# KiCad board PROC099A_PCB-PcbDoc.kicad_pcb (continued)
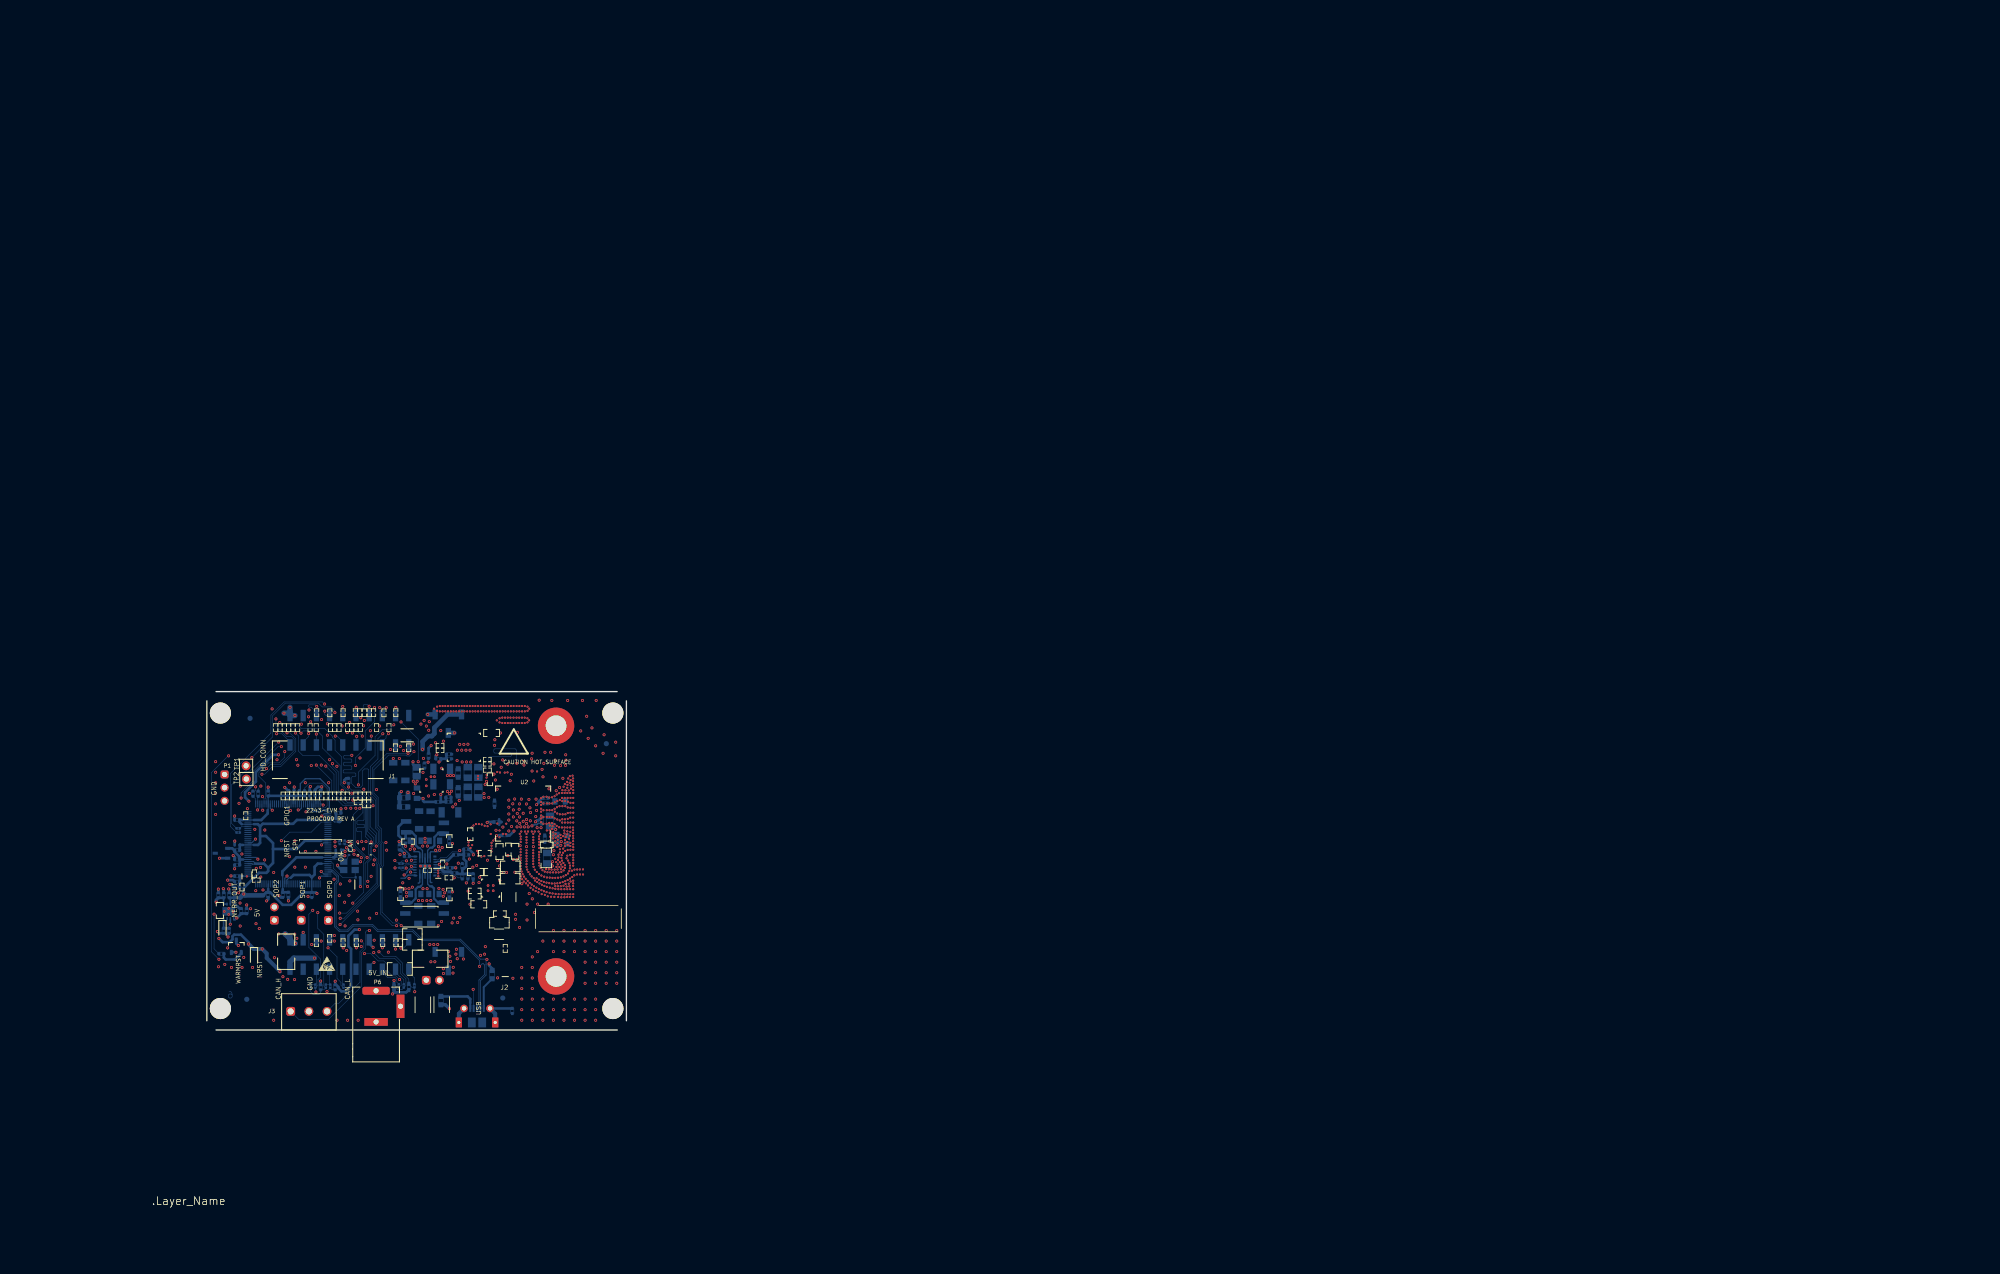
[diagram p0: board, top side]
## Routing (per net, layer and track width the routed paths; a pad name or vN(x,y) marks a point on that pad's centre or on a via; arc(x,y) is an arc through that point) (continued)
  In4.Cu w0.025: 43.49,46.86 43.84,46.86 ; 44.01,45.07 44.22,45.07 ; 47.94,44.41 48.28,44.41 ; 44.92,45.81 45.12,45.81 ; 46.18,44.2 46.38,44.2 ; 46.01,46.3 46.22,46.3 arc(46.23,46.31) 46.22,46.32 arc(46.21,46.35) 46.2,46.37 arc(46.17,46.38) 46.15,46.39 arc(46.13,46.39) 46.1,46.39 arc(46.08,46.38) 46.05,46.36 ; 44.32,44.31 44.51,44.31 ; 46.05,46.35 46.21,46.35 ; 44.37,48.39 44.71,48.39 ; 44.03,44.99 44.25,44.99 ; 48.05,44.21 48.39,44.21 ; 45.88,46 46.09,46 ; 43.34,46.59 43.69,46.59 ; 45,46.1 45.22,46.1 ; 41.37,43.1 41.71,43.1 ; 42.28,44.72 42.63,44.72 ; 46.15,43.77 46.3,43.77 ; 42.39,44.9 42.73,44.9 ; 43.95,45.56 44.15,45.56 ; 44.02,47.78 44.36,47.78 ; 47.12,45.93 47.46,45.93 ; 46.02,44.71 46.24,44.71 ; 43.25,46.43 43.59,46.43 ; 44.93,45.16 45.14,45.16 ; 43.96,45.32 44.16,45.32 ; 41.84,43.94 42.19,43.94 ; 48.08,44.16 48.42,44.16 ; 43.69,47.2 44.03,47.2 ; 47.85,44.58 48.19,44.58 ; 44.97,45.02 45.19,45.02 ; 43.85,47.48 44.19,47.48 ; 44.31,44.34 44.51,44.34 ; 47.84,44.59 48.18,44.59 ; 45.3,49.29 45.65,49.29 ; 42.66,45.39 43.01,45.39 ; 43.78,47.36 44.12,47.36 ; 44.9,45.36 45.1,45.36 ; 44.89,45.52 45.1,45.52 ; 45.97,46.23 46.2,46.23 ; 47.39,45.43 47.73,45.43 ; 44.81,49.18 45.15,49.18 ; 47.79,44.7 48.13,44.7 ; 45.07,49.62 45.47,49.62 ; 45.9,44.97 46.12,44.97 ; 45.9,44.97 arc(45.87,45.06) 45.84,45.14 ; 45.9,44.97 arc(45.95,44.86) 46,44.76 arc(46.04,44.67) 46.08,44.57 arc(46.11,44.5) 46.14,44.43 arc(46.15,44.37) 46.17,44.31 ; 45.55,48.83 45.89,48.83 ; 45.31,49.27 45.66,49.27 ; 44.94,45.9 45.15,45.9 ; 41.25,42.87 49.09,42.87 ; 45.93,48.14 46.27,48.14 ; 41.83,43.91 42.17,43.91 ; 44.96,45.05 45.18,45.05 ; 43.97,45.22 44.18,45.22 ; 45.81,45.45 46.01,45.45 ; 45.26,44.11 45.47,44.11 ; 43.67,47.16 44.01,47.16 ; 47.39,45.44 47.72,45.44 ; 45.73,48.51 46.07,48.51 ; 46.13,44.44 46.34,44.44 ; 41.5,43.33 41.84,43.33 ; 44.01,45.05 44.23,45.05 ; 45.95,48.1 46.29,48.1 ; 45.93,48.13 46.28,48.13 ; 43.73,47.27 44.07,47.27 ; 46.12,44.49 46.33,44.49 ; 45.26,44.31 45.47,44.31 ; 43.97,47.69 44.31,47.69 ; 48.37,43.62 48.71,43.62 ; 41.95,44.13 42.29,44.13 ; 44.97,45.03 45.19,45.03 ; 42.03,44.27 42.37,44.27 ; 41.49,43.31 41.83,43.31 ; 45.97,44.8 46.2,44.8 ; 44.18,48.07 44.53,48.07 ; 43.86,47.49 44.2,47.49 ; 43.95,47.66 44.29,47.66 ; 46,44.75 46.22,44.75 ; 43.28,46.49 43.63,46.49 ; 46.27,47.51 46.61,47.51 ; 44.28,43.82 44.48,43.82 ; 44.09,44.85 44.32,44.85 ; 42.17,44.53 42.52,44.53 ; 45.07,44.79 45.29,44.79 ; 44.29,43.9 44.5,43.9 ; 45.84,45.14 46.06,45.14 ; 41.52,43.37 41.86,43.37 ; 45.91,48.17 46.25,48.17 ; 43.8,47.4 44.14,47.4 ; 46.17,44.12 46.38,44.12 ; 44.27,44.47 44.48,44.47 ; 44.32,44.26 44.52,44.26 ; 44.32,48.31 44.66,48.31 ; 45.22,43.82 45.42,43.82 ; 45.58,48.78 45.92,48.78 ; 47.64,44.97 47.98,44.97 ; 44.33,44.15 44.52,44.15 ; 44.03,46 44.25,46 ; 47.41,45.4 47.75,45.4 ; 46.16,44.34 46.37,44.34 ; 45.09,44.76 45.31,44.76 ; 45.9,44.96 46.12,44.96 ; 44.95,45.95 45.16,45.95 ; 45.45,49.02 45.79,49.02 ; 45.04,46.19 45.27,46.19 ; 47.36,45.48 47.7,45.48 ; 47.61,45.02 47.95,45.02 ; 46.46,47.15 46.8,47.15 ; 45.67,48.61 46.02,48.61 ; 47.78,44.72 48.12,44.72 ; 45.65,48.66 45.99,48.66 ; 46.93,46.29 47.27,46.29 ; 44.05,44.94 44.27,44.94 ; 41.69,43.68 42.04,43.68 ; 46.5,47.72 47.12,46.56 ; 47.12,46.56 47.83,45.24 47.49,45.24 ; 47.12,46.56 46.78,46.56 ; 46.17,44.27 46.38,44.27 ; 41.57,43.46 41.92,43.46 ; 45.26,44.34 45.46,44.34 ; 48.45,43.46 48.79,43.46 ; 46.38,47.31 46.72,47.31 ; 42.59,45.26 42.94,45.26 ; 41.91,44.06 42.25,44.06 ; 43.6,47.04 43.94,47.04 ; 43.12,46.2 43.47,46.2 ; 45.8,45.5 46,45.5 ; 44.8,49.16 45.14,49.16 ; 44.3,43.91 44.51,43.91 ; 45.86,45.08 46.08,45.08 ; 41.3,42.97 49.05,42.97 ; 44.28,43.85 44.49,43.85 ; 45,46.09 45.21,46.09 ; 45.84,48.3 46.18,48.3 ; 48.12,44.08 48.46,44.08 ; 43.52,46.9 43.86,46.9 ; 41.44,43.22 41.78,43.22 ; 45.4,49.12 45.74,49.12 ; 45.89,48.21 46.23,48.21 ; 43.42,46.73 43.77,46.73 ; 45.83,48.33 46.17,48.33 ; 48.3,43.74 48.64,43.74 ; 45.81,45.67 46.01,45.67 ; 43.08,46.12 43.42,46.12 ; 46.13,43.84 46.33,43.84 ; 45.93,46.13 46.15,46.13 ; 45.61,49.35 45.27,49.35 45.27,49.35 45.78,48.42 46.99,46.16 ; 46.08,44.58 46.3,44.58 ; 45.43,49.06 45.77,49.06 ; 45.49,48.95 45.83,48.95 ; 42.94,45.88 43.28,45.88 ; 42.16,44.51 42.51,44.51 ; 43.95,45.57 44.15,45.57 ; 47.31,45.59 47.65,45.59 ; 48.41,43.54 48.75,43.54 ; 47.45,45.31 47.79,45.31 ; 44.59,48.78 44.93,48.78 ; 44.08,46.12 44.3,46.12 ; 48.28,43.78 48.62,43.78 ; 45.95,48.09 46.3,48.09 ; 41.24,42.86 49.09,42.86 ; 44.87,49.26 45.2,49.26 ; 45.1,44.73 45.33,44.73 ; 44.63,48.85 44.97,48.85 ; 44.27,44.45 44.49,44.45 ; 41.24,42.8 49.11,42.8 ; 44.89,49.31 45.23,49.31 ; 45.14,46.35 45.3,46.35 ; 43.95,45.62 44.16,45.62 ; 44.71,49 45.05,49 ; 43.95,45.41 44.15,45.41 ; 41.75,43.78 42.09,43.78 ; 46.83,46.47 47.17,46.47 ; 43.37,46.64 43.72,46.64 ; 45.07,44.79 45.3,44.79 ; 46.14,43.87 46.34,43.87 ; 43.12,46.19 43.46,46.19 ; 41.54,43.41 41.88,43.41 ; 43.02,46.02 43.36,46.02 ; 44.94,45.93 45.15,45.93 ; 44.51,48.64 44.85,48.64 ; 45.11,49.69 45.42,49.69 ; 46.51,47.06 46.85,47.06 ; 48.2,43.92 48.54,43.92 ; 45.91,46.1 46.13,46.1 ; 48.35,43.66 48.69,43.66 ; 48.66,43.08 48.99,43.08 ; 46.16,43.99 46.37,43.99 ; 44.9,45.31 45.11,45.31 ; 45.24,43.95 45.45,43.95 ; 46.15,47.73 46.49,47.73 ; 43.93,47.63 44.28,47.63 ; 43.21,46.36 43.56,46.36 ; 46.46,47.16 46.8,47.16 ; 44.52,48.67 44.86,48.67 ; 44.19,46.32 44.37,46.32 ; 44.12,46.21 44.35,46.21 ; 46.05,44.64 46.27,44.64 ; 47.54,45.16 47.87,45.16 ; 43.71,47.23 44.05,47.23 ; 45.14,44.66 45.36,44.66 ; 42.84,45.7 43.19,45.7 ; 45.8,48.37 46.14,48.37 ; 45.12,46.32 45.31,46.32 ; 43.85,47.47 44.19,47.47 ; 45.81,45.62 46.01,45.62 ; 44.76,49.08 45.1,49.08 ; 46.14,43.9 46.35,43.9 ; 42.41,44.95 42.76,44.95 ; 46.17,44.03 46.37,44.03 ; 43.43,46.74 43.77,46.74 ; 44.96,49.43 45.57,49.43 ; 41.58,43.48 41.93,43.48 ; 46.9,46.33 47.25,46.33 ; 48.03,44.25 48.37,44.25 ; 46.49,47.1 46.83,47.1 ; 45.9,48.2 46.24,48.2 ; 44.03,45 44.25,45 ; 43.42,46.72 43.76,46.72 ; 44.35,48.36 44.69,48.36 ; 45.94,46.16 46.17,46.16 ; 45.57,48.79 45.91,48.79 ; 45.91,48.79 45.78,49.05 ; 45.91,48.79 46.05,48.55 46.16,48.35 ; 47.34,45.52 47.68,45.52 ; 46.01,44.73 46.23,44.73 ; 42.51,45.13 42.86,45.13 ; 41.74,43.77 42.09,43.77 ; 47.93,44.43 48.27,44.43 ; 45.82,48.34 46.16,48.34 ; 46.37,47.32 46.71,47.32 ; 47.73,44.79 48.07,44.79 ; 44.93,45.87 45.14,45.87 ; 46.14,44.42 46.35,44.42 ; 46.87,46.39 47.21,46.39 ; 45.81,45.63 46.01,45.63 ; 46.48,47.11 46.82,47.11 ; 42.4,44.93 42.75,44.93 ; 45.8,45.48 46,45.48 ; 45.1,46.29 45.32,46.29 ; 46.15,44.37 46.36,44.37 ; 46.02,46.32 46.22,46.32 ; 45,44.94 45.22,44.94 ; 45.25,44.02 45.46,44.02 ; 44.01,45.06 44.22,45.06 ; 44.01,45.95 44.23,45.95 ; 46,48 46.34,48 ; 45.85,45.12 46.06,45.12 ; 45.17,49.76 45.36,49.76 ; 44.91,45.76 45.12,45.76 ; 43.17,46.28 43.51,46.28 ; 43.72,47.25 44.06,47.25 ; 45.82,45.77 46.03,45.77 ; 45.38,49.16 45.72,49.16 ; 42.15,44.48 42.49,44.48 ; 43.68,47.19 44.03,47.19 ; 45.8,45.57 46,45.57 ; 45,49.5 45.53,49.5 ; 45.48,48.97 45.82,48.97 ; 42.68,45.43 43.03,45.43 ; 44.41,48.46 44.75,48.46 ; 43.24,46.42 43.59,46.42 ; 48.5,43.38 48.84,43.38 ; 46.33,47.4 46.67,47.4 ; 46.35,47.36 46.69,47.36 ; 43.23,46.4 43.58,46.4 ; 44.94,49.4 45.59,49.4 ; 44.9,45.68 45.1,45.68 ; 46.24,47.55 46.59,47.55 ; 47.99,44.33 48.33,44.33 ; 41.66,43.61 42,43.61 ; 45.98,46.25 46.21,46.25 ; 42.47,45.05 42.81,45.05 ; 47.99,44.32 48.33,44.32 ; 47.59,45.06 47.93,45.06 ; 44.09,46.14 44.31,46.14 ; 44.28,44.44 44.49,44.44 ; 44.3,44.36 44.51,44.36 ; 44.32,44.28 44.52,44.28 ; 45.41,49.1 45.75,49.1 ; 43.96,45.36 44.16,45.36 ; 46.05,44.65 46.27,44.65 ; 41.88,44.01 42.23,44.01 ; 45.8,45.54 46,45.54 ; 45.26,44.3 45.47,44.3 ; 45.83,45.2 46.04,45.2 ; 46.14,44.41 46.35,44.41 ; 46.43,47.2 46.78,47.2 ; 45.22,43.86 45.43,43.86 ; 43.97,47.7 44.32,47.7 ; 44.02,47.79 44.36,47.79 ; 46.2,47.63 46.55,47.63 ; 44.89,45.64 45.1,45.64 ; 41.31,43 41.65,43 ; 42.35,44.84 42.7,44.84 ; 41.27,42.71 49.08,42.71 ; 48.34,43.68 48.68,43.68 ; 41.97,44.17 42.32,44.17 ; 45.35,49.22 45.69,49.22 ; 45.6,48.74 45.95,48.74 ; 43.61,47.05 43.95,47.05 ; 48.48,43.42 48.82,43.42 ; 41.7,43.69 42.04,43.69 ; 47.2,45.78 47.54,45.78 ; 44.84,49.22 45.18,49.22 ; 44.17,48.05 44.51,48.05 ; 44.04,44.97 44.26,44.97 ; 46.14,43.91 46.35,43.91 ; 44.92,45.83 45.13,45.83 ; 46.07,47.88 46.41,47.88 ; 46.17,44.05 46.37,44.05 ; 45.68,48.6 46.02,48.6 ; 47.44,45.33 47.78,45.33 ; 44.21,46.35 44.35,46.35 ; 45.08,44.77 45.31,44.77 ; 44.79,49.13 45.12,49.13 ; 45.48,48.96 45.83,48.96 ; 47.35,45.51 47.69,45.51 ; 47.41,45.39 47.75,45.39 ; 43.28,46.48 43.62,46.48 ; 47.72,44.81 48.06,44.81 ; 41.93,44.09 42.27,44.09 ; 45.23,43.91 45.44,43.91 ; 45.06,46.23 45.3,46.23 ; 44.03,45.01 44.24,45.01 ; 41.91,44.07 42.26,44.07 ; 44.26,44.5 44.47,44.5 ; 45.83,45.19 46.04,45.19 ; 41.77,43.81 42.11,43.81 ; 44.18,48.06 44.52,48.06 ; 46.05,47.9 46.4,47.9 ; 46.47,47.13 46.81,47.13 ; 47.62,45.01 47.96,45.01 ; 44.5,48.63 44.84,48.63 ; 45.91,46.08 46.13,46.08 ; 47.13,45.92 47.47,45.92 ; 43.96,45.69 44.16,45.69 ; 41.3,42.98 41.65,42.98 ; 47.53,45.17 47.87,45.17 ; 48.21,43.91 48.55,43.91 ; 45,44.93 45.23,44.93 ; 45.27,44.22 45.47,44.22 ; 44.07,46.1 44.29,46.1 ; 47.11,45.96 47.45,45.96 ; 45.24,44.41 45.44,44.41 ; 44.15,44.74 44.37,44.74 ; 45.18,49.77 45.33,49.77 ; 41.81,43.89 42.15,43.89 ; 44.15,44.73 44.38,44.73 ; 48.39,43.58 48.73,43.58 ; 42.09,44.37 42.43,44.37 ; 45.16,44.6 45.38,44.6 ; 44.95,45.94 45.16,45.94 ; 44.33,44.18 44.52,44.18 ; 45.84,45.89 46.06,45.89 ; 44.47,48.58 44.81,48.58 ; 45.13,46.34 45.3,46.34 ; 47.67,44.91 48.01,44.91 ; 43.61,47.06 43.95,47.06 ; 44.91,45.79 45.12,45.79 ; 44.5,48.62 44.84,48.62 ; 44.2,44.63 44.42,44.63 ; 43.96,45.73 44.17,45.73 ; 42.09,44.38 42.44,44.38 ; 43.13,46.21 43.47,46.21 ; 46.25,47.53 46.6,47.53 ; 45.57,48.8 45.91,48.8 ; 46.13,43.82 46.32,43.82 ; 45.85,45.9 46.06,45.9 ; 41.65,43.59 41.99,43.59 ; 46.14,43.9 46.35,43.9 ; 43.47,46.81 43.81,46.81 ; 45.82,45.26 46.03,45.26 ; 46.34,47.37 46.69,47.37 ; 44.02,45.04 44.23,45.04 ; 42.82,45.67 43.16,45.67 ; 42.47,45.06 42.82,45.06 ; 48.03,44.24 48.37,44.24 ; 45.42,49.08 45.76,49.08 ; 45.96,44.83 46.18,44.83 ; 45.83,45.21 46.04,45.21 ; 43.37,46.63 43.71,46.63 ; 46.5,47.07 46.85,47.07 ; 45.26,44.23 45.47,44.23 ; 43.67,47.17 44.02,47.17 ; 46.51,47.05 46.86,47.05 ; 46.18,44.22 46.38,44.22 ; 44.13,46.24 44.36,46.24 ; 41.67,43.63 42.01,43.63 ; 46.85,46.44 47.19,46.44 ; 45.32,49.25 45.67,49.25 ; 46.62,46.85 46.97,46.85 ; 44.09,47.9 44.43,47.9 ; 41.31,42.99 41.65,42.99 ; 43.83,47.44 44.17,47.44 ; 47.44,45.34 47.78,45.34 ; 45.26,44.26 45.47,44.26 ; 45.8,48.38 46.14,48.38 ; 45.27,44.2 45.47,44.2 ; 43.66,47.14 44,47.14 ; 44.21,44.6 44.44,44.6 ; 47.32,45.57 47.66,45.57 ; 44.89,45.42 45.1,45.42 ; 42.2,44.58 42.55,44.58 ; 43.95,47.65 44.29,47.65 ; 46.04,44.68 46.26,44.68 ; 46.14,47.74 46.49,47.74 ; 44.32,44.06 44.52,44.06 ; 46.16,44.36 46.36,44.36 ; 44.46,48.55 44.8,48.55 ; 46.16,44.33 46.37,44.33 ; 44.98,49.47 45.55,49.47 ; 42.62,45.31 42.96,45.31 ; 42.43,44.98 42.77,44.98 ; 46.03,47.94 46.38,47.94 ; 48.65,43.1 48.98,43.1 ; 41.65,42.99 45.25,49.35 ; 41.84,43.93 42.18,43.93 ; 42.8,45.63 43.14,45.63 ; 47.93,44.42 48.27,44.42 ; 41.45,43.24 41.79,43.24 ; 46.22,47.6 46.56,47.6 ; 45.06,49.61 45.47,49.61 ; 43.69,47.21 44.04,47.21 ; 46.97,46.2 47.31,46.2 ; 47.21,45.76 47.55,45.76 ; 44.09,46.16 44.32,46.16 ; 45.86,45.07 46.08,45.07 ; 44.04,46.04 44.26,46.04 ; 48.46,43.45 48.8,43.45 ; 44.89,45.58 45.1,45.58 ; 45.46,49 45.8,49 ; 44.69,48.95 45.02,48.95 ; 41.32,43.01 41.66,43.01 ; 44.13,47.98 44.48,47.98 ; 45.81,45.31 46.02,45.31 ; 45.81,45.31 arc(45.81,45.42) 45.8,45.53 arc(45.8,45.58) 45.81,45.64 arc(45.81,45.68) 45.81,45.72 arc(45.82,45.76) 45.82,45.79 ; 45.81,45.31 arc(45.82,45.23) 45.84,45.14 ; 41.46,43.26 41.8,43.26 ; 42.73,45.51 43.07,45.51 ; 45.84,45.85 46.05,45.85 ; 42.93,45.86 43.27,45.86 ; 42.7,45.46 43.05,45.46 ; 44.89,45.54 45.1,45.54 ; 43.29,46.51 43.64,46.51 ; 46.81,46.5 47.16,46.5 ; 47.19,45.8 47.53,45.8 ; 44.27,48.23 44.61,48.23 ; 43.58,47.01 43.93,47.01 ; 46.57,46.95 46.91,46.95 ; 45.71,48.54 46.05,48.54 ; 45.64,48.68 45.98,48.68 ; 46.12,44.48 46.33,44.48 ; 45.23,44.44 45.44,44.44 ; 45.81,45.72 46.02,45.72 ; 42.29,44.74 42.64,44.74 ; 41.99,44.21 43.17,46.29 43.92,47.61 44.55,48.71 45.12,49.71 ; 47.4,45.42 47.73,45.42 ; 48.53,43.33 48.86,43.33 ; 41.65,43.6 41.99,43.6 ; 44.72,49.01 45.06,49.01 ; 47.52,45.2 47.85,45.2 ; 41.4,43.15 41.74,43.15 ; 47.22,45.75 47.56,45.75 ; 44.3,44.35 44.51,44.35 ; 46.6,46.89 46.95,46.89 ; 45.81,45.43 46.01,45.43 ; 45.05,46.21 45.28,46.21 ; 44.08,46.13 44.31,46.13 ; 44.92,45.23 45.12,45.23 ; 45.02,49.54 45.51,49.54 ; 45.97,44.81 46.19,44.81 ; 47.47,45.28 47.81,45.28 ; 48,44.31 48.34,44.31 ; 47.71,44.84 48.05,44.84 ; 44.28,48.25 44.63,48.25 ; 45.03,46.16 45.26,46.16 ; 43.94,47.64 44.28,47.64 ; 44.98,46.04 45.19,46.04 ; 46.11,44.51 46.32,44.51 ; 44.52,48.66 44.86,48.66 ; 48.57,43.25 48.91,43.25 ; 46.06,47.89 46.4,47.89 ; 44.68,48.94 45.02,48.94 ; 46.79,46.54 47.14,46.54 ; 47.63,44.99 47.97,44.99 ; 47.38,45.45 47.72,45.45 ; 45.99,46.26 46.21,46.26 ; 44.32,44.14 44.52,44.14 ; 42.17,44.52 42.51,44.52 ; 43.53,46.92 43.87,46.92 ; 46.17,44.15 46.38,44.15 ; 42.61,45.3 42.96,45.3 ; 43.2,46.34 43.54,46.34 ; 47.97,44.36 48.31,44.36 ; 41.58,43.47 41.92,43.47 ; 45.23,43.8 45.41,43.8 ; 47.64,44.96 47.98,44.96 ; 45.8,45.49 46,45.49 ; 46.14,43.79 46.31,43.79 ; 42.98,45.95 43.32,45.95 ; 48.7,43 49.04,43 ; 45.02,49.53 45.52,49.53 ; 41.62,43.54 41.96,43.54 ; 44,45.91 44.21,45.91 ; 44.14,44.76 44.36,44.76 ; 44.28,43.81 44.48,43.81 ; 46.03,46.33 46.22,46.33 ; 47.4,45.41 47.74,45.41 ; 46.14,43.81 46.32,43.81 ; 44.29,43.88 44.5,43.88 ; 45.11,49.68 45.43,49.68 ; 42.1,44.4 42.45,44.4 ; 44.51,48.65 44.85,48.65 ; 47.79,44.69 48.13,44.69 ; 44.19,44.65 44.41,44.65 ; 43.73,47.28 44.08,47.28 ; 45.09,46.27 45.31,46.27 ; 43.01,46.01 43.36,46.01 ; 44.57,48.76 44.91,48.76 ; 43.41,46.71 43.76,46.71 ; 44.58,48.77 44.92,48.77 ; 44.01,45.93 44.22,45.93 ; 42.71,45.48 43.06,45.48 ; 48.11,44.09 48.45,44.09 ; 41.72,43.73 42.07,43.73 ; 45.24,43.96 45.45,43.96 ; 42.34,44.81 42.68,44.81 ; 47.28,45.64 47.62,45.64 ; 46.62,46.86 46.96,46.86 ; 42.78,45.6 43.12,45.6 ; 44.95,45.96 45.16,45.96 ; 44,47.75 44.34,47.75 ; 43.18,46.31 43.53,46.31 ; 45.8,45.51 46,45.51 ; 43.13,46.22 43.48,46.22 ; 45.07,49.63 45.46,49.63 ; 44.35,48.35 44.69,48.35 ; 44.9,45.33 45.1,45.33 ; 45.94,44.88 46.16,44.88 ; 47.55,45.14 47.88,45.14 ; 48.1,44.11 48.44,44.11 ; 44.18,46.31 44.37,46.31 ; 43.99,45.84 44.19,45.84 ; 43.81,47.42 44.15,47.42 ; 44.89,45.43 45.1,45.43 ; 47.12,45.94 47.46,45.94 ; 44.2,46.34 44.35,46.34 ; 46.17,44.28 46.38,44.28 ; 45.12,49.7 45.42,49.7 ; 43.98,45.82 44.19,45.82 ; 44.74,49.04 45.07,49.04 ; 42.75,45.55 43.1,45.55 ; 43.97,45.79 44.18,45.79 ; 44.55,48.72 44.89,48.72 ; 42.08,44.36 42.43,44.36 ; 43.99,45.87 44.2,45.87 ; 44.24,44.54 44.46,44.54 ; 45.84,48.31 46.18,48.31 ; 45.24,44.39 45.45,44.39 ; 47.25,45.68 47.59,45.68 ; 47.82,44.63 48.16,44.63 ; 45.84,45.88 46.05,45.88 ; 44.83,49.2 45.16,49.2 ; 45.88,45.02 46.1,45.02 ; 46.11,46.39 46.16,46.39 ; 45.84,45.87 46.05,45.87 ; 44.06,47.86 44.4,47.86 ; 46.18,47.68 46.52,47.68 ; 43.95,45.61 44.16,45.61 ; 44.06,46.09 44.29,46.09 ; 48.17,43.99 48.51,43.99 ; 43.99,45.86 44.2,45.86 ; 44.85,49.23 45.19,49.23 ; 43.95,45.52 44.15,45.52 ; 48.49,43.4 48.83,43.4 ; 44.98,46.06 45.2,46.06 ; 41.64,43.58 41.98,43.58 ; 46.41,47.25 46.75,47.25 ; 48.26,43.83 48.6,43.83 ; 42.58,45.25 42.93,45.25 ; 44.21,48.11 44.55,48.11 ; 43.97,45.27 44.17,45.27 ; 43.98,47.71 44.32,47.71 ; 46.16,44.35 46.37,44.35 ; 45.97,46.21 46.19,46.21 ; 48.69,43.02 49.03,43.02 ; 44.9,45.32 45.11,45.32 ; 41.53,43.39 41.87,43.39 ; 46.99,46.17 47.33,46.17 ; 45.56,48.81 45.9,48.81 ; 45.05,44.82 45.28,44.82 ; 47.6,45.05 47.94,45.05 ; 41.89,44.03 42.24,44.03 ; 46.97,46.21 47.31,46.21 ; 47.89,45.12 47.9,45.12 48.08,44.79 47.74,44.79 ; 44.91,45.75 45.11,45.75 ; 45.24,43.94 45.45,43.94 ; 44.31,43.74 44.43,43.74 ; 45.03,49.56 45.5,49.56 ; 46.17,44.1 46.38,44.1 ; 45.73,48.5 46.07,48.5 ; 46.31,47.43 46.66,47.43 ; 44.89,45.41 45.1,45.41 ; 45.93,44.89 46.16,44.89 ; 44.91,45.74 45.11,45.74 ; 43.54,46.94 43.88,46.94 ; 43.71,47.24 44.05,47.24 ; 45.18,44.55 45.4,44.55 ; 46.81,46.51 47.15,46.51 ; 43.26,46.45 43.61,46.45 ; 42.19,44.56 42.54,44.56 ; 44.91,45.28 45.11,45.28 ; 46.16,43.97 46.36,43.97 ; 48.09,44.14 48.43,44.14 ; 42.76,45.57 43.11,45.57 ; 48.64,43.11 48.98,43.11 ; 41.26,42.72 49.09,42.72 ; 42.8,45.64 43.15,45.64 ; 44.16,48.03 44.5,48.03 ; 47.81,44.66 48.15,44.66 ; 42.89,45.79 43.23,45.79 ; 45.08,49.65 45.45,49.65 ; 45.79,48.39 46.13,48.39 ; 43.97,45.75 44.17,45.75 ; 43.27,46.47 43.62,46.47 ; 46.92,46.3 47.26,46.3 ; 47.32,45.56 47.66,45.56 ; 45.91,44.93 46.14,44.93 ; 44.32,44.25 44.52,44.25 ; 43.59,47.02 43.93,47.02 ; 42,44.23 42.35,44.23 ; 41.68,43.66 42.03,43.66 ; 45.81,45.68 46.01,45.68 ; 45.92,44.92 46.14,44.92 ; 42.57,45.23 42.92,45.23 ; 43.32,46.56 43.67,46.56 ; 42.86,45.74 43.21,45.74 ; 42.83,45.68 43.17,45.68 ; 46.17,44.08 46.38,44.08 ; 46.05,44.66 46.26,44.66 ; 44.62,48.84 44.96,48.84 ; 44.32,48.32 44.66,48.32 ; 45.1,46.3 45.32,46.3 ; 41.51,43.36 41.86,43.36 ; 47.03,46.1 47.37,46.1 ; 44.28,48.24 44.62,48.24 ; 42.77,45.58 43.11,45.58 ; 48,44.3 48.34,44.3 ; 45.83,45.82 46.04,45.82 ; 47.01,46.13 47.35,46.13 ; 47.06,46.04 47.4,46.04 ; 46.57,46.96 46.91,46.96 ; 48.07,44.18 48.41,44.18 ; 46.16,43.76 46.3,43.76 ; 41.83,43.92 42.18,43.92 ; 45.74,48.48 46.08,48.48 ; 43.62,47.08 43.97,47.08 ; 45.9,46.07 46.12,46.07 ; 44.06,44.92 44.28,44.92 ; 45.47,48.99 45.81,48.99 ; 44.16,48.02 44.5,48.02 ; 47.75,44.77 48.09,44.77 ; 45.24,44.38 45.45,44.38 ; 43.95,45.63 44.16,45.63 ; 43.4,46.69 43.74,46.69 ; 43.76,47.33 44.1,47.33 ; 45.5,48.92 45.85,48.92 ; 43.14,46.24 43.49,46.24 ; 44.15,48.01 44.49,48.01 ; 45.26,44.29 45.47,44.29 ; 45.04,44.84 45.27,44.84 ; 45.22,49.78 45.29,49.78 ; 48.64,43.12 48.97,43.12 ; 42.42,44.97 42.77,44.97 ; 45.22,43.83 45.42,43.83 ; 43.82,47.43 44.16,47.43 ; 44.92,45.21 45.13,45.21 ; 47.89,44.51 48.23,44.51 ; 42.67,45.41 43.02,45.41 ; 44.05,46.05 44.27,46.05 ; 44.93,45.15 45.14,45.15 ; 44,47.74 44.34,47.74 ; 44.96,45.06 45.17,45.06 ; 46.23,47.58 46.57,47.58 ; 44.01,47.77 44.35,47.77 ; 48.15,44.03 48.49,44.03 ; 48.7,43.01 49.03,43.01 ; 45.26,44.25 45.47,44.25 ; 44.25,44.52 44.47,44.52 ; 47.69,44.87 48.03,44.87 ; 45.92,48.16 46.26,48.16 ; 44.96,45.07 45.17,45.07 ; 45.9,46.06 46.12,46.06 ; 45.03,44.87 45.26,44.87 ; 45.82,45.28 46.02,45.28 ; 42.92,45.85 43.27,45.85 ; 45.81,45.73 46.02,45.73 ; 44.03,46.01 44.25,46.01 ; 45.25,43.99 45.45,43.99 ; 48.11,44.1 48.45,44.1 ; 43.56,46.98 43.9,46.98 ; 45.93,46.12 46.15,46.12 ; 48.13,44.05 48.47,44.05 ; 43.95,45.49 44.15,45.49 ; 42.21,44.6 42.56,44.6 ; 45.27,44.17 45.47,44.17 ; 45.81,45.39 46.01,45.39 ; 44.31,44.01 44.51,44.01 ; 44.28,43.77 44.45,43.77 ; 42.12,44.43 42.46,44.43 ; 44.84,49.22 45.17,49.22 ; 45.23,44.42 45.44,44.42 ; 44.05,46.06 44.27,46.06 ; 44.7,48.98 45.04,48.98 ; 44.33,44.19 44.52,44.19 ; 46.41,47.24 46.76,47.24 ; 43.97,45.25 44.17,45.25 ; 42.97,45.94 43.32,45.94 ; 44.57,48.75 44.91,48.75 ; 41.73,43.74 42.07,43.74 ; 44.96,45.98 45.17,45.98 ; 46.76,46.59 47.1,46.59 ; 47.83,44.62 48.17,44.62 ; 45.81,45.66 46.01,45.66 ; 41.35,43.05 41.68,43.05 ; 44.91,45.26 45.11,45.26 ; 42.73,45.52 43.08,45.52 ; 46.15,43.94 46.36,43.94 ; 44.79,49.14 45.13,49.14 ; 42.92,45.84 43.26,45.84 ; 44.28,43.87 44.5,43.87 ; 45.8,45.47 46,45.47 ; 46.26,47.52 46.6,47.52 ; 44.15,46.27 44.37,46.27 ; 45.26,44.08 45.47,44.08 ; 43.91,47.58 44.25,47.58 ; 42.1,44.39 42.44,44.39 ; 41.87,43.99 42.22,43.99 ; 45.03,44.88 45.25,44.88 ; 43.05,46.08 43.4,46.08 ; 44.97,45.04 45.18,45.04 ; 45.95,44.85 46.17,44.85 ; 42.15,44.49 42.5,44.49 ; 42.88,45.78 43.23,45.78 ; 45.91,46.09 46.13,46.09 ; 46.24,47.56 46.58,47.56 ; 44.26,44.49 44.48,44.49 ; 45.91,44.94 46.13,44.94 ; 44.16,46.29 44.37,46.29 ; 44.19,48.08 44.53,48.08 ; 45.39,49.13 45.74,49.13 ; 46.17,47.7 46.51,47.7 ; 46.08,47.86 46.42,47.86 ; 41.28,42.93 49.07,42.93 ; 48.47,43.44 48.81,43.44 ; 46.32,47.42 46.66,47.42 ; 42.63,45.34 42.98,45.34 ; 44.33,48.33 44.67,48.33 ; 42.44,44.99 42.78,44.99 ; 46.1,44.54 46.31,44.54 ; 45.13,49.72 45.4,49.72 ; 41.76,43.8 42.1,43.8 ; 44.9,45.35 45.1,45.35 ;